# Altium PCB smu_unit.PcbDoc (part 2 of 3)
Units mil, origin at the board's own origin, x right, y up, seen from the top; angles counter-clockwise.
Board outline 6066 x 1900 mil, 4 copper layers (L1, L2, L3, L4), stack 64.6 mil thick; 154 components, 103 nets, 549 pads, 1003 vias.
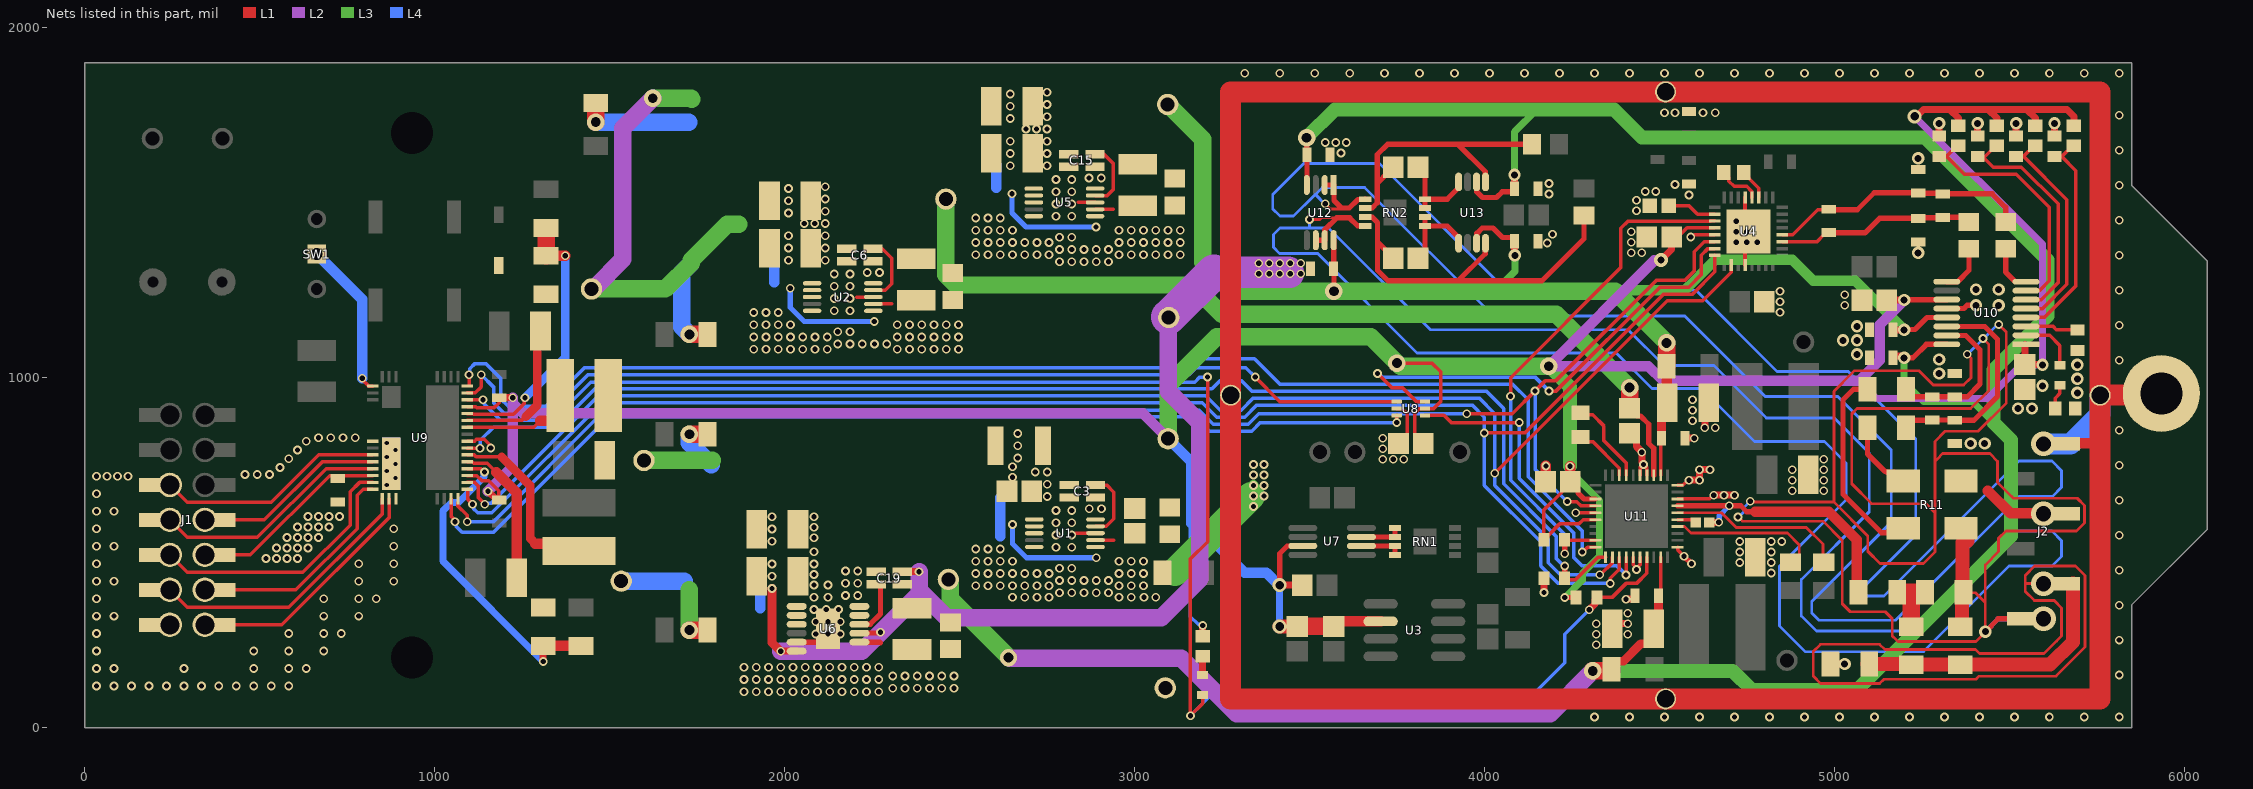
[diagram p4: the nets of this part, all layers, seen from the top]

## Via types
v1: diameter 25, hole 15, L1 to L4, tented both sides, 880 vias
v2: diameter 20, hole 12, L1 to L4, tented both sides, 59 vias
v3: diameter 35, hole 20, L1 to L4, tented both sides, 37 vias
v4: diameter 50, hole 28, L1 to L4, tented both sides, 16 vias
v5: diameter 70.87, hole 43.31, L1 to L4, tented both sides, 6 vias
v6: diameter 40, hole 25, L1 to L4, tented both sides, 3 vias
v7: diameter 35, hole 20, L1 to L4, tented bottom, 1 vias
v8: diameter 40, hole 20, L1 to L4, tented both sides, 1 vias

## Nets (pads, with @x,y where several pads share a name; then routed paths per layer and width w, separated by ;. In a path a pad name is that pad's centre, name@x,y a point inside that pad or via, vN(x,y) a via of type N, cw(c..) or ccw(c..) an arc to the next point about the centre after c; other vN are vias at no path point) (continued)
3.3V: C3.1 C10.1 C12.1 C18.1 C22.2 C29.1 C35.1 C37.1 C51.2 C53.1 C55.1 R22.1 R25.1 R27.1 R30.1 R32.1 R33.1 R34.1 TP1.1 U1.10 U3.2 U4.28 U7.7 U8.5 U9.10 U9.20 U10.1 U10.11 U11.13 U11.16 | length 11614
  L1 w10: U9.10@1093.34,720.33 1120.38,720.33 1135.11,705.59 1154.11,705.59 1183.11,676.59 C55.1@1183.11,653.06 ; U9.20@1093.34,917.18 1117.69,917.18 1121.27,913.59 1169.11,913.59 1184.05,928.54 C51.2@1184.05,942.77 ; v4(3750,1042) 3850,1042 3875,1017 3875,932 3855,912 U8.5@3830.35,912 3829.45,911.09 3820.59,911.09 3820.55,911.05 3814.1,911.05 3801,897.96 C29.1@3801,836.46 ; R34.1@4170.47,537 R34.1@4170.47,540.94 ; C53.1@4240.5,697.5 4220.85,677.85 4220.85,672.85 4170.47,622.47 R34.1@4170.47,540.94 ; U11.16@4317.86,594.41 4282.41,594.41 4270,582 4215,582 4182.19,549.19 4178.72,549.19 R34.1@4170.47,540.94 ; C22.2@4561,1410 4579.3,1428.3 U4.28@4658.7,1428.3
  L1 w15: v6(3415.11,407) 3415.11,497.11 3436.69,518.69 3480.82,518.69 U7.7@3481.34,519.2 ; v1(4230,372) 4252.47,372 R32.1@4257.47,367 ; C53.1@4245.46,702.83 4267.58,680.72 4267.58,670.42 4284.54,653.46 U11.13@4317.86,653.46 ; v3(5200,1222) 5201.09,1223.09 5321.5,1223.09 U10.11@5321.8,1223.39 ; U10.1@5545,1094.65 5545.78,1095.43 U10.1@5548.2,1095.43
  L1 w20: v1(1152.11,675.59) 1152.7,675.59 1175.23,653.06 C55.1@1183.11,653.06 ; C51.2@1184.05,942.77 v1(1223.11,942.77) ; R33.1@3195,260.54 v1(3195,292) ; v6(3415.11,407) C18.1@3479.54,407 ; v8(4505,1337) 4535,1367 4535,1401.57 C22.2@4535.43,1402 ; C35.1@5150.46,1222 v3(5200,1222) ; v6(5230,1747) 5235.41,1747 5255.41,1767 5330,1767 ; R22.1@5355,1720.54 5355,1742 5330,1767 ; R25.1@5465,1720.54 5465,1742 5440,1767 ; U10.1@5545,1094.65 C37.1@5545,1037.46 5545.23,1037.23 5594.77,1037.23 v3(5595,1037) ; R27.1@5575,1720.54 5575,1742 5550,1767 ; R30.1@5685,1720.54 5685,1747 5665,1767 5550,1767 ; 5330,1767 5440,1767 ; 5440,1767 5550,1767
  L1 w30: C12.1@3570.11,289.06 3584.64,303.59 U3.2@3703.65,303.59 ; C53.1@4245,703.3 v1(4245,747)
  L1 w40: v6(3415.11,288.59) 3464.68,288.59 C10.1@3465.11,289.03
  L1 w50: C10.1@3465.11,289.03 C12.1@3570.09,289.04
  L2 w20: 5071,991 5121,941 5439,941 5535,1037 v3(5595,1037) 5595,1382 v6(5230,1747)
  L2 w30: v1(1152.11,675.59) 1223.11,746.59 1223.11,927.59 ; v1(1223.11,942.77) 1223.11,927.59 ; TP1.1@3096.11,825.59 3023.11,898.59 1252.11,898.59 1223.11,927.59 ; v8(4505,1337) 4503.09,1335.09 4486.09,1335.09 v4(4184,1033) 4469,1033 4511,991 5071,991 5130,1050 5130,1152 v3(5200,1222)
  L3 w20: v1(4230,372) 4279.98,421.98 4279.98,440.98 4329,490 4329,649 4245.96,732.04 4245.96,746.04 v1(4245,747)
  L3 w30: v6@3415.11,401.89 3410,407 v6(3415.11,407)
  L3 w40: v4(4184,1033) 4185,1033 4245,973 v1(4245,747)
  L3 w50: TP1.1@3096.11,825.59 TP1.1@3096.52,826 ; TP1.1@3096.11,826.08 3096.11,978.11 3235,1117 3675.71,1117 3750,1042.71 v4(3750,1042) 3759,1033 v4(4184,1033)
  L4 w10: TP1.1@3096.11,825.59 3096.11,820.89 3160,757 3160,317 3182.13,294.87 3192.13,294.87 v1(3195,292)
  L4 w20: v6@3415,407 v6(3415.11,407) v6(3415.11,288.59)
  L4 w30: TP1.1@3096.11,825.59 3162.35,759.35 3162.35,584.65 ; 3162.35,594.65 3315,442 3377.4,442 3412.4,407 v6@3415,407
  other v1: 2871.11,625.59 2906.11,625.59
5.5V: C6.1 C32.1 TP2.1 U2.10 U11.3 | length 2588.5
  L1 w15: C32.1@4415,912.46 4437.12,890.35 4446.65,890.35 4470,867 4470,812.39 4484.32,798.07 U11.3@4484.32,721.5
  L1 w50: C32.1@4415,912.46 v4(4415,972)
  L3 w50: TP2.1@2461.11,1510.59 2461.11,1294.29 2490.4,1265 3167,1265 3250,1182 4205,1182 v4(4415,972)
  other v1: 2236.11,1300.59 2271.11,1300.59
5.15V: C1.1 C2.2 C40.2 L3.2 TP9.1 U1.1 U1.2 U1.3 U1.6 U9.15 | length 584.2
  L1 w10: U9.15@1093.34,818.75 1114.27,818.75 1119.11,823.59 1142.11,823.59 1157.24,808.46 1157.24,805.99 1157.64,805.59 v1@1160.11,805.59
  L3 w50: TP9.1@1598.11,763.59 1793.11,763.59
  L4 w15: v1(2651.11,580.59) 2651.11,525.59 2691.11,485.59 v1(2891.11,485.59)
  other v1: 2651.11,715.59 2651.11,745.59 2666.11,770.59 1160.11,799.07 2666.11,805.59 2666.11,840.59
15V: C15.1 C31.1 C36.1 C39.2 C58.1 C69.1 R7.1 TP3.1 U5.10 U10.13 U11.2 U12.8 U13.3 | length 3880.5
  L1 w10: U11.2@4504.01,721.5 4504.01,824.53 4501.54,827 C31.1@4506.54,827 C31.1@4505,828.54
  L1 w15: C58.1@3569.39,1325.8 U12.8@3569.39,1393.24 ; C58.1@3569.46,1312 3570,1311.46 v4(3570,1247) ; U13.3@3977.8,1384.4 3978.69,1385.3 3978.69,1412.69 3994,1428 4025,1428 4052.24,1400.76 4081.24,1400.76 C69.1@4086.54,1395.46 ; v3(5200,1137) 5200.78,1137.78 5230.78,1137.78 5265.2,1172.2 U10.13@5321.8,1172.2
  L1 w20: C69.1@4086.54,1395.46 4086.77,1395.23 4086.77,1350.23 v3(4087,1350) ; C31.1@4505,828.54 C31.1@4506.54,830.07 ; C39.2@4506.54,911.59 C39.2@4522.94,928 ; C36.1@5168.46,1137 v3(5200,1137)
  L1 w25: C31.1@4506.54,830.07 C39.2@4506.54,911.59
  L1 w30: R7.1@4521.96,1032.02 4521.96,928.98 C39.2@4522.94,928
  L1 w50: R7.1@4520.98,1033 R7.1@4520.98,1043.41 ; R7.1@4521,1043.43 v4(4521,1099.5)
  L3 w20: 4029,1247 4030,1247 4087,1304 v3(4087,1350)
  L3 w30: 4373,1250 4573,1250 4660,1337 4880,1337 4940,1277 5060,1277 v3(5200,1137)
  L3 w50: TP3.1@3095,1781 3195,1681 3195,1330 3278,1247 v4(3570,1247) 4029,1247 ; 4030,1247 4373.5,1247 v4(4521,1099.5)
  other v1: 2870,1571 2905,1571
18.8V: C4.2 C5.2 C13.2 C14.2 C30.1 D1.2 R6.2 TP10.1 U2.1 U2.2 U2.3 U2.6 U5.1 U5.2 U5.3 U5.6 U9.18 | length 2218.8
  L1 w10: U9.18@1093.34,877.81 1248.11,877.81 1256.9,886.59 1257.11,886.59
  L1 w25: 1260.11,888.59 1293.11,921.59 ; 1293.11,922.81 1293.11,1074.5
  L2 w50: TP10.1@1453.2,1255.7 1456.6,1259.11 1458.62,1259.11 1538.11,1338.59 1538.11,1713.59 v4(1623.11,1798.59)
  L3 w50: TP10.1@1448.11,1253.59 1659.11,1253.59 1733.11,1327.59 1733.11,1335.59 1835.61,1438.09 1869.61,1438.09 ; v4(1623.11,1798.59) 1733.11,1798.59 1735.11,1796.59
  L4 w15: v1(2016.11,1255.59) 2016.11,1200.59 2056.11,1160.59 v1(2256.11,1160.59) ; v1(2650,1526) 2650,1471 2690,1431 v1(2890,1431)
  other v1: 2011.11,1335.59 2011.11,1370.59 2011.11,1405.59 2011.11,1470.59 2011.11,1505.59 2011.11,1540.59 2645,1606 2645,1641 2645,1676 2645,1741 2645,1776 2645,1811
-15V: C19.1 C52.1 C57.1 C61.1 C63.1 C67.1 R36.1 TP4.1 U6.11 U6.12 U10.16 U11.29 U12.4 U13.6 | length 8193.1
  L1 w10: C61.1@4497.72,364.61 C61.1@4497.72,377 4504.01,383.29 U11.29@4504.01,487
  L1 w15: v4(3492,1686) 3492.27,1685.73 3492.27,1637.27 C63.1@3492.54,1637 ; C63.1@3492.54,1637 3493,1636.46 3493,1551.14 U12.4@3492.61,1550.76 ; U13.6@3977.8,1559.6 3978.69,1558.7 3978.69,1531.31 3995.09,1514.91 4034.91,1514.91 4051.24,1531.24 4081.24,1531.24 4081.24,1530 C67.1@4086.54,1535.3 ; v3@5205,1057 5225,1057 5263.43,1095.43 U10.16@5321.8,1095.43
  L1 w20: v3(4086,1580) 4086.27,1579.73 4086.27,1535.56 C67.1@4086.54,1535.3 ; C52.1@5168.46,1062 v3@5200,1062
  L1 w25: R36.1@4377.07,189.93 4397.93,189.93 4447.38,239.38 4467.03,239.38 4484.06,256.41 C57.1@4484.06,282 4497.72,295.66 C61.1@4497.72,364.61
  L1 w50: v4(4310,162) 4363.39,162 4363.98,162.59 R36.1@4363.98,167
  L2 w50: v4@2643.11,198.59 3133.41,198.59 3292,40 4188,40 v4(4310,162)
  L3 w10: TP4.1@2468.11,423.59 TP4.1@2471.71,419.99
  L3 w20: v3(4086,1580) 4086,1703 4150,1767 ; v3(5200,1057) 5200,987 5255,932 5395,932 5455,872
  L3 w40: v4(3492,1686) 3573,1767 4150,1767 4370,1767 4450,1687 5260,1687 5610,1337 5610,1177 5455,1022 5455,882 ; v4@4311,162 4710,162 4765,107 5065,107 5505,547 5505,822 5455,872
  L3 w50: TP4.1@2471.71,419.99 2470.22,418.5 2473.62,415.1 2473.62,368.08 v4@2643.11,198.59 ; v4(4310,162) v4@4311,162
  other v1: 2174.22,377.48 2209.22,377.48 2174.22,412.48 2209.22,412.48 2174.22,447.48 2209.22,447.48
  other v4: 2640,200
-18.8V: C16.2 C17.2 C48.1 R17.2 TP12.1 U6.1 U6.2 U6.3 U6.5 U6.13 U9.12 | length 732.4
  L1 w10: U9.12@1093.34,759.7 1107.01,759.7 1111.11,755.59 1150.11,755.59 1169.11,736.59
  L1 w15: U6.5@2034.65,244.1 2097.27,244.1 2124.22,271.05 U6.13@2124.22,282.48
  L1 w30: 1175.4,730.3 1234.11,671.59 C48.1@1234.11,456.59
  L3 w50: TP12.1@1533.11,418.59 TP12.1@1536.11,418.59
  L4 w30: 1931.11,340.89 1931.11,394.8
  L4 w50: TP12.1@1533.11,418.59 1713.11,418.59
  other v1: 1884.22,102.48 1919.22,102.48 1954.22,102.48 1989.22,102.48 2024.22,102.48 2059.22,102.48 2094.22,102.48 2129.22,102.48 2164.22,102.48 2199.22,102.48 2234.22,102.48 2269.22,102.48 2309.22,112.48 2344.22,112.48 2379.22,112.48 2414.22,112.48 2449.22,112.48 2484.22,112.48 1884.22,137.48 1919.22,137.48 1954.22,137.48 1989.22,137.48 2024.22,137.48 2059.22,137.48 2094.22,137.48 2129.22,137.48 2164.22,137.48 2199.22,137.48 2234.22,137.48 2269.22,137.48 2309.22,147.48 2344.22,147.48 2379.22,147.48 2414.22,147.48 2449.22,147.48 2484.22,147.48 1884.22,172.48 1919.22,172.48 1954.22,172.48 1989.22,172.48 2024.22,172.48 2059.22,172.48 2094.22,172.48 2129.22,172.48 2164.22,172.48 2199.22,172.48 2234.22,172.48 2269.22,172.48 2089.22,267.48 2124.22,267.48 2159.22,267.48 2089.22,302.48 2124.22,302.48 2159.22,302.48 2084.22,337.48 2119.22,337.48 2154.22,337.48 2084.22,372.48 2124.22,372.48 2084.22,407.48 2124.22,407.48 2084.22,437.48 2084.22,467.48 2084.22,502.48 2084.22,542.48 2084.22,572.48 2084.22,602.48
\ADC/CS: U4.31 U8.6 | length 1353.9
  L1 w10: v1(3695,1012) 3735,972 3765,972 3805,932 3830.04,932 U8.6@3830.35,931.68 ; v1(4185,962) 4205,962 4502,1259 4584,1259 4620,1295 4620,1350 4639.24,1369.24 U4.31@4658.7,1369.24
  L4 w10: v1(3695,1012) 3698.36,1012 3708.36,1002 4145,1002 v1(4185,962)
\DAC/CS: U8.4 U11.24 | length 949.6
  L1 w10: U8.4@3830.35,892.31 3884.69,892.31 3905,872 v1(4100,872) ; v1(4405.11,436.09) 4405.58,436.56 U11.24@4405.58,487
  L4 w10: v1(4100,872) 4100,712 4255,557 4255,487 4280,462 4379.2,462 v1(4405.11,436.09)
\FAULT: J1.7 pad.1@243.11,593.59 U9.38 | length 681.8
  L1 w10: pad.1@243.11,593.59 293.11,543.59 493.11,543.59 689.53,740.01 U9.38@822.88,740.01
\LDAC: J1.5 pad.1@243.11,693.59 U9.36 | length 656.7
  L1 w10: pad.1@243.11,693.59 293.11,643.59 533.11,643.59 668.9,779.38 U9.36@822.88,779.38
\SS: J1.14 pad.1@343.11,293.59 U9.2 | length 707.3
  L1 w10: pad.1@343.11,293.59 J1.14@395.47,293.59 563.11,293.59 869.53,600.01 U9.2@869.53,653.99
\SSS: U8.3 U9.6 | length 2965
  L1 w10: U9.6@1046.69,653.99 1046.69,604.07 1058.11,592.65 v1(1058.11,588.59) ; U8.3@3749.65,892.31 3749.82,892.14 3749.82,872.18 v1(3750,872)
  L4 w10: v1(1058.11,588.59) 1060.98,585.72 1060.98,575.72 1078.11,558.59 1168.11,558.59 1498.11,888.59 3173.41,888.59 3215,847 3335,847 3360,872 v1(3750,872)
ADC/#RESET: R34.2 U4.27 U11.19 | length 1526.7
  L1 w10: v1(4075,947) 4075,1000 4390,1315 4390,1427 4410.9,1447.9 4646.97,1447.9 4647.05,1447.98 U4.27@4658.7,1447.98 ; R34.2@4229.53,537 4231.17,535.35 U11.19@4317.86,535.35
  L1 w15: R34.2@4225,530.53 4230,525.53 v1(4230,497)
  L4 w10: v1(4075,947) 4075,707 4230,552 v1(4230,497)
CLK: J1.9 pad.1@243.11,493.59 U9.40 | length 792.6
  L1 w10: pad.1@258.11,508.59 258.11,493.59 pad.1@243.11,493.59 293.11,443.59 623.11,443.59 758.11,578.59 758.11,673.59 785.16,700.64 U9.40@822.88,700.64
DAC/#CLKOUT: R14.1 U9.14 U11.21 | length 3785.8
  L1 w10: U9.14@1093.34,799.07 1128.64,799.07 v1(1129.11,798.59) v1@1129.11,799.07 ; R14.1@4235,422 4260,422 4325,487 U11.21@4346.53,487
  L1 w15: R14.1@4229.53,427 4229.76,427.24 4229.76,461.76 v1(4230,462)
  L4 w10: v1(1129.11,798.59) 1130.61,800.09 1130.61,821.09 1168.11,858.59 1348.11,858.59 1458.11,968.59 3221.59,968.59 3245,992 3305,992 3335,962 4005,962 4055,912 4055,697 4205,547 4205,484 4227,462 v1(4230,462)
DAC/#FAULT: DS2.2 R32.2 U9.21 U11.27 | length 4826.3
  L1 w10: U9.21@1093.34,936.86 v1(1138.11,936.86) ; DS2.2@3195,93.46 3195,69 v1(3160,34) 3160,482 3209,531 v1@3209,999 ; R32.2@4320,370.47 R32.2@4321.53,372 ; R32.2@4325,372 4365,372 4405,412 4435,412 4464.64,441.64 U11.27@4464.64,487
  L1 w20: v1(4300,337) 4315.78,352.78 4315.78,366.25 R32.2@4320,370.47
  L4 w10: v1(1138.11,936.86) 1140.98,933.99 1140.98,925.72 1188.11,878.59 1338.11,878.59 1446.51,987 3172,987 3187,1002 v1(3209,1002) ; v1(3160,34) 3228,102 4147,102 4230,185 4230,267 v1(4300,337)
DAC/#LDAC: U9.23 U11.20 | length 3810.7
  L1 w10: U9.23@1098.11,978.59 v1(1098.11,1008.59) ; v1(4280,502) 4281.33,502 4295,515.67 U11.20@4317.86,515.67
  L4 w10: v1(1098.11,1008.59) 1100.05,1010.54 1100.05,1025.54 1115.11,1040.59 1146.11,1040.59 1188.11,998.59 1188.11,940.59 1210.11,918.59 1318.11,918.59 1428.11,1028.59 3141.59,1028.59 3167,1054 3343,1054 3415,982 4080,982 4125,937 4125,717 4280,562 v1(4280,502)
DAC/+VSENSE: R24.1 U11.36 | length 511.6
  L1 w8: U11.36@4552.36,614.09 4677.91,614.09 4720,572 4920,572 4967.73,524.27 4967.73,489.63 R24.1@4985,472.35
DAC/-VSENSE: R29.1 U11.34 | length 423.3
  L1 w8: U11.34@4552.36,574.72 4572.28,574.72 4591,556 4866,556 4900,522 4900,482.35 R29.1@4890,472.35
DAC/ADC/SCLK: U4.2 U9.9 U11.22 | length 4799.8
  L1 w10: U9.9@1093.11,700.59 1114.11,700.59 1125.11,689.59 1125.11,656.59 v1@1135.05,646.65 ; v1(4030,727) 4523,1220 4624,1220 4705.94,1301.94 U4.2@4705.94,1322 ; v1(4330,437) 4331.53,437 4366.21,471.69 U11.22@4366.21,487
  L4 w10: v1(1143.11,638.59) 1145.98,641.46 1160.98,641.46 1468.11,948.59 3203.41,948.59 3245,907 3305,907 3340,942 3985,942 4030,897 v1(4030,727) 4030,692 4183,539 4183,471 4217,437 v1(4330,437)
DAC/ADC/SDI: U4.32 U9.8 U11.23 | length 4825.8
  L1 w10: U9.8@1095.11,680.71 1095.11,651.95 1108.11,638.95 v1(1108.11,638.59) ; v1(4000,842) 4115,842 4512,1239 4595,1239 4658.7,1302.7 U4.32@4658.7,1349.56 ; v1(4360,412) 4360,427 4385.9,452.9 U11.23@4385.9,487
  L4 w10: v1(1108.11,638.59) 1110.98,635.72 1110.98,625.72 1123.11,613.59 1163.11,613.59 1478.11,928.59 3193.41,928.59 3235,887 3315,887 3350,922 3965,922 4000,887 v1(4000,842) 4000,692 4161,531 4161,462 4211,412 v1(4360,412)
DAC/ADC/SDO: U4.30 U9.7 U11.14 | length 4467.4
  L1 w10: U9.7@1066.38,642.46 1066.38,633.33 1092.66,607.04 1092.66,589.04 v1(1093.11,588.59) ; v1(3950,897) 4080,897 v1(4145,962) 4175,992 4205,992 4491,1278 4573,1278 4600,1305 4600,1360 4628.93,1388.93 U4.30@4658.7,1388.93 ; v1(4237,646) 4264,646 4276.22,633.78 U11.14@4317.86,633.78
  L4 w10: v1(1093.11,588.59) 1168.11,588.59 1486.51,907 3185,907 3225,867 3325,867 3355,897 v1(3950,897) ; v1(4145,962) 4145,738 v1(4237,646)
DAC/RA: R20.2 U11.7 | length 249.3
  L1 w10: R20.2@4275,899.45 4280.18,894.27 4309.73,894.27 4342,862 4342,820 4405.58,756.42 U11.7@4405.58,721.5
DAC/RB: R20.1 U11.8 | length 167.5
  L1 w10: R20.1@4275,830.55 4288.01,817.54 4309.46,817.54 4385.9,741.1 U11.8@4385.9,721.5
DAC/VIOUT: C56.2 R12.2 U11.37 | length 790.3
  L1 w15: U11.37@4552.83,634.25 4700,634.25 4732.75,634.25 4750,617 4775,617
  L1 w20: C56.2@4643.24,586.41 4643.53,586.7 4669.7,586.7 v1(4670,587)
  L1 w30: 4775,617 4984,617 5064,537 5064,392.88 R12.2@5069.88,387
  L4 w15: v1(4670,587) 4671.25,588.25 4671.25,605.25 v1(4700,634)
DACS/A\D\C\S\M: J1.8 pad.1@343.11,593.59 U9.37 | length 548.6
  L1 w10: pad.1@343.11,593.59 J1.8@395.47,593.59 513.11,593.59 679.21,759.7 U9.37@822.88,759.7
DACS/A\D\C\S\S: U8.1 U9.22 | length 2864.6
  L1 w10: U9.22@1093.34,956.55 1116.06,956.55 1133.11,973.59 v1(1133.11,1008.59) ; v1(3345,1002) 3415.32,931.68 U8.1@3749.65,931.68
  L4 w10: v1(1133.11,1008.59) 1168.11,973.59 1168.11,928.59 1198.11,898.59 1328.11,898.59 1438.11,1008.59 3156.59,1008.59 3177,1029 3318,1029 v1(3345,1002)
EARTH: J2.1 pad.0 pad.@5935,955 | length 9833.7
  L1 w20: 5758,812 5760,810
  L1 w30: J2.1@5662.92,812 5758,812
  L1 w60: pad.@5935,955 5930,950 pad.0@5760,950 5760,1817 ; 5760,1817 5760,812 5760,82 pad.0@4518,82 3275,82 pad.0@3275,950 3275,1817 pad.0@4518,1817 5760,1817
  L4 w60: v5(5598.04,811) 5676,811 5760,895 pad.0@5760,950
HiGuard: C46.2 J2.6 R11.1 R13.1 | length 6264.6
  L1 w8: v1(4725,602) 4726.19,602 4738.19,590 4968,590 5023,535 5023,354 5046,331 5146,331 5166,311 5166,262 5169,259 5182,246 5405,246 5432,273 5432,357 ; v1(4760,647) 4762,645 4999,645 5096,548 5096,504 5131,469 5255,469 5288,502 5288,614 ; 4999,644 4999,961 5000,962 5051,1013 5054,1016 5058,1020 5242,1020 5283,979 5370,979 5391,1000 5391,1056 v1@5381,1066 ; 5288,762 5288,818 5317,847 5411,847 5492,928 5492,1107 5492,1130 v1(5470,1152) ; R13.1@5370.12,387 5371.89,385.23 5403.77,385.23 5432,357 ; v1(5425,1112) 5442,1095 5442,1089 5442,964 5390,912 5389,912 5065,912 5050,897 5050,697 5107,640 5262,640 5288,614 ; 5288,614 5288,761 5295,768 5310,783 5445,783 5467,761 5467,701 5507,661 5512.57,655.43 5694.57,655.43 5715,635 5715,585 5692,562 5491,562 5470,541 5470,503 5432,465 5432,357
  L1 w15: v7(5432,274) 5469,311 J2.6@5533.08,311
  L1 w40: C46.2@5360,301.13 5365.06,306.19 5365.06,381.94 R13.1@5370.12,387 5366,391.12 5366,529.05 5370.95,534 5381,534 ; R11.1@5362.5,569.5 R11.1@5370,562
  L4 w8: v1(4725,602) 4726.98,602 4742,617.02 4742,629 v1(4760,647) ; v1(5380,1067) 5381,1067 5425,1111 v1(5425,1112) ; v1@5426,1111 5467,1152 v1(5470,1152)
  L4 w15: v7(5432,274) 5469,311 v5(5598.04,311)
iSense+/ADC: C20.1 C33.1 C43.2 R9.2 U4.11 | length 568.1
  L1 w10: U4.11@4851.61,1388.93 4950.93,1388.93 4968.74,1406.74 4977.2,1406.74 C20.1@4985,1414.54
  L1 w15: C20.1@4985,1414.54 4985.54,1414 5088,1414 5129.46,1455.46 C33.1@5240,1455.46 5241.54,1457 5308.46,1457 C43.2@5310,1458.54 5371.85,1458.54 R9.2@5385,1445.39
iSense-/ADC: C20.2 C43.1 C49.2 R16.2 U4.12 | length 749
  L1 w10: U4.12@4851.61,1408.61 4881.61,1408.61 4953,1480 4983.54,1480 C20.2@4985,1481.46
  L1 w15: C20.2@4985,1481.46 4986.46,1480 5066,1480 5114.54,1528.54 C49.2@5240,1528.54 5240,1527 5308.46,1527 C43.1@5310,1525.46 5451.54,1525.46 5490,1487 R16.2@5490,1445.39
isoAGND: C4.1 C5.1 C6.3 C7.2 C13.1 C14.1 C15.3 C16.1 C17.1 C19.3 C24.2 C31.2 C32.2 C33.2 C36.2 C38.2 C39.1 C41.1 C49.1 C50.2 C52.2 C57.2 C58.2 C59.1 C61.2 C62.1 C63.2 C65.2 C67.2 C69.2 R35.2 R41.2 R42.2 R43.2 TP15.1 U2.5 U2.8 U4.4 U4.21 U4.33 U5.5 U5.8 U6.6 U6.9 U10.12 U11.4 U11.5 U11.31 U11.38 U11.40 | length 4976.1
  L1 w10: 2206.11,1230.59 U2.8@2253.71,1230.59 ; 2840,1501 U5.8@2887.6,1501 ; U11.5@4444.95,721.5 4444.95,743.8 4453.16,752 v1(4455,752) ; v1@4455,753.43 4464.64,743.8 U11.4@4464.64,721.5 ; U11.31@4552.36,515.67 4552.36,507.64 4570,490 v1(4571,490) ; U11.38@4552.36,653.46 4642.59,653.46 4653.37,664.25 v1(4655.94,664.25) ; U11.40@4552.36,692.83 4566.78,692.83 4580.94,707 v1(4585,707) ; v1@4592,467 v1(4592,468) ; U4.33@4745.31,1408.61 U4.33@4755.16,1418.46 U4.33@4745.31,1428.3
  L1 w12: U4.4@4745.31,1322 U4.33@4745.31,1408.61 ; U4.33@4745.31,1428.3 U4.21@4745.31,1514.91
  L1 w15: U6.9@2213.79,269.69 2214.68,270.58 2272.32,270.58 v1(2274.22,272.48) ; v1(4571,490) 4571,489.5 4592,468.5 v1(4592,468) ; U10.12@5321.8,1197.8 5322,1198 5371,1198 5380,1207 v3(5405,1207)
  L1 w20: v1(1989.22,218.51) U6.6@2034.65,218.51 ; C19.3@2336.62,445.2 2337.75,446.33 2381.73,446.33 2382.87,445.2 v1(2384.22,445.2) ; C57.2@4365.94,282 4380.94,297 v1(4410,297) ; v1(4405,367) 4405.96,367.96 4427.99,367.96 4430.79,370.75 C61.2@4430.79,377 ; C32.2@4415,841.54 4416.02,841.54 4435.63,821.92 4435.63,802.72 4450,788.35 v1(4450,787) 4450,757 v1(4455,752) ; C31.2@4573.46,827 v1(4600,827) ; v1(4585,707) 4614,707 4615,706 v1(4615,707) v1(4615,737) 4614,738 4644,738 v1(4645,737) ; v1(4630,857) 4630.96,857.96 4630.96,917.9 C39.1@4641.06,928 ; v1(4655.94,664.25) v1(4685,664.25) v1(4715,664.25) ; R35.2@4989.88,179.59 R35.2@4989.88,182 ; R35.2@5000,182 v3(5030,182) 5030.82,181.18 v3@5030.82,180.81
  L1 w25: v1(1964.22,397.48) 1964.22,242.48 1988.2,218.51 v1(1989.22,218.51)
  L1 w50: v4@1460.11,1729.59 v4(1460.11,1730.59) R42.2@1460.11,1784.62 ; v4(1728.11,278.59) R43.2@1779.13,278.59 ; v4(1728.11,1123.59) R41.2@1778.11,1123.59
  L2 w50: v1(1989.22,218.51) 2220.24,218.51 v1(2274.22,272.48) 2384.22,382.48 2384.22,392.48 ; v1(2384.22,445.2) 2384.22,392.48 ; TP15.1@3098,1172 3097,1171 3097,961 3187,871 3187,424 3076.59,313.59 2463.11,313.59 2384.22,392.48
  L2 w80: v1@3440,1302 v1(3445,1297)
  L2 w90: TP15.1@3098,1172 TP15.1@3098,1173 ; 3227,1302 v1@3440,1302
  L2 w100: TP15.1@3098,1173 3227,1302
  L3 w40: v4(1728.11,278.59) v4@1728.11,281.3
  L3 w50: v4@1728.11,281.3 1728.11,393.59
  L4 w30: 1971.11,1273.13 1971.11,1338.13 ; 2605,1543.53 2605,1608.53
  L4 w50: v4(1460.11,1730.59) 1461.11,1729.59 1726.11,1729.59 ; v4(1728.11,1123.59) 1706.11,1145.59 1706.11,1300.59 1730.11,1324.59
  other v1: 4320,237 4320,267 4410,267 4320,297 4410,327 1964.22,432.48 4820,442 1964.22,467.48 4730,472 4820,472 4730,502 4820,502 4730,532 4820,532 4850,532 1964.22,532.48 1964.22,567.48 1964.22,602.48 4880,677 4970,677 4880,707 4970,707 4880,737 4970,737 4970,767 4660,857 4595,877 4595,907 4595,937 1912.22,1081.19 1947.22,1081.19 1982.22,1081.19 2017.22,1081.19 2052.22,1081.19 2087.22,1081.19 2122.22,1081.19 2322.22,1081.19 2357.22,1081.19 2392.22,1081.19 2427.22,1081.19 2462.22,1081.19 2497.22,1081.19 2152.22,1096.19 2187.22,1096.19 2222.22,1096.19 2257.22,1096.19 2292.22,1096.19 1912.22,1116.19 1947.22,1116.19 1982.22,1116.19 2017.22,1116.19 2052.22,1116.19 2087.22,1116.19 2122.22,1116.19 2322.22,1116.19 2357.22,1116.19 2392.22,1116.19 2427.22,1116.19 2462.22,1116.19 2497.22,1116.19 2152.22,1131.19 2187.22,1131.19 1912.22,1151.19 1947.22,1151.19 1982.22,1151.19 2017.22,1151.19 2322.22,1151.19 2357.22,1151.19 2392.22,1151.19 2427.22,1151.19 2462.22,1151.19 2497.22,1151.19 1912.22,1186.19 1947.22,1186.19 1982.22,1186.19 4845,1187 2142.22,1191.19 2187.22,1191.19 4845,1217 2142.22,1226.19 2187.22,1226.19 4845,1247 2142.22,1261.19 2187.22,1261.19 2142.22,1296.19 2187.22,1296.19 3355,1297 3385,1297 3415,1297 3475,1297 3355,1327 3385,1327 3415,1327 3445,1327 3475,1327 2786.11,1331.59 2821.11,1331.59 2856.11,1331.59 2891.11,1331.59 2926.11,1331.59 2116.11,1335.59 2546.11,1351.59 2581.11,1351.59 2616.11,1351.59 2651.11,1351.59 2686.11,1351.59 2721.11,1351.59 2756.11,1351.59 2956.11,1351.59 2991.11,1351.59 3026.11,1351.59 3061.11,1351.59 3096.11,1351.59 3131.11,1351.59 2786.11,1366.59 2821.11,1366.59 2856.11,1366.59 2891.11,1366.59 2926.11,1366.59 2116.11,1370.59 4180,1385 2546.11,1386.59 2581.11,1386.59 2616.11,1386.59 2651.11,1386.59 2686.11,1386.59 2721.11,1386.59 2756.11,1386.59 2956.11,1386.59 2991.11,1386.59 3026.11,1386.59 3061.11,1386.59 3096.11,1386.59 3131.11,1386.59 4720,1387 4750,1387 4780,1387 2786.11,1401.59 2821.11,1401.59 2116.11,1405.59 4195,1410 4720,1417 4750,1417 2546.11,1421.59 2581.11,1421.59 2616.11,1421.59 2651.11,1421.59 2956.11,1421.59 2991.11,1421.59 3026.11,1421.59 3061.11,1421.59 3096.11,1421.59 3131.11,1421.59 2056.11,1440.59 2086.11,1440.59 2116.11,1440.59 4720,1447 2546.11,1456.59 2581.11,1456.59 2616.11,1456.59 2776.11,1461.59 2821.11,1461.59 2116.11,1475.59 4435,1477 2776.11,1496.59 2821.11,1496.59 4435,1507 2116.11,1510.59 4585,1522 4185,1525 2776.11,1531.59 2821.11,1531.59 4460,1532 4490,1532 2116.11,1545.59 4545,1552 4185,1555 2776.11,1566.59 2821.11,1566.59 2750,1606 2750,1641 3590,1642 3545,1672 3575,1672 3605,1672 2750,1676 2690,1711 2720,1711 2750,1711 2750,1746 4515,1757 4545,1757 4625,1757 4660,1757 2750,1781 2750,1816 3315,1870 3415,1870 3515,1870 3615,1870 3715,1870 3815,1870 3915,1870 4015,1870 4115,1870 4215,1870 4315,1870 4415,1870 4515,1870 4615,1870 4715,1870 4815,1870 4915,1870 5015,1870 5115,1870 5215,1870
  other v3: 5390,812 5430,812 5300,1012 5300,1052 5065,1067 5025,1107 5065,1107 5065,1147 5470,1207 5405,1252 5470,1252 5240,1357 5240,1627
isoDGND: C1.2 C2.1 C3.3 C22.1 C29.2 C35.2 C37.2 C53.2 R14.2 R19.1 R21.1 R23.1 R26.1 R28.1 R31.1 R38.1 R39.1 TP14.1 U1.5 U1.8 U4.29 U8.2 U11.15 U11.25 U11.26 | length 1213.3
  L1 w10: v1@2831.11,555.59 U1.8@2888.71,555.59 ; U8.2@3749.65,912 3750.55,911.09 3759.41,911.09 3759.45,911.05 3765.91,911.05 3779,897.96 C29.2@3779,836.46 ; v1(4261,614) 4265,614 4266,615 4267,614 4317.76,614 U11.15@4317.86,614.09 ; U11.25@4425.27,487 4425.27,465.9 v1@4435.11,456.06 ; v1(4435.11,452) v1@4435.11,456.06 ; U11.26@4444.95,487 4444.95,465.9 v1@4435.11,456.06 ; v1(4590,1402) 4594.06,1402 4600.67,1408.61 U4.29@4658.7,1408.61
  L1 w20: v1(3340,692) v1@3340.96,692.96 ; v1(4170.47,386) R14.2@4170.47,427 ; R23.1@5300,1691.53 v3(5300,1727) ; R26.1@5410,1691.53 v3(5410,1727) ; R28.1@5520,1691.53 v3(5520,1727) ; R31.1@5630,1691.53 v3(5630,1727)
  L1 w30: C53.2@4174.54,702.83 4175.91,704.21 v1(4175.91,747.91) ; C35.2@5065.49,1236.04 C35.2@5079.54,1222
  L1 w50: v4(1728.11,838.59) R39.1@1778.11,838.59
  L2 w10: TP14.1@3086.59,113.59 TP14.1@3088.11,113.59
  L3 w30: 3340,677 v1(3340,692)
  L3 w60: v1@3330,662 3333,662 v1(3340,662)
  L3 w80: 3116,445 v1@3333,662
  L4 w30: 2616.11,547.5 2616.11,657.27
  L4 w50: v4(1728.11,838.59) 1728.11,813.59 1790.24,751.46
  other v1: 4315,30 4415,30 4515,30 4615,30 4715,30 4815,30 4915,30 5015,30 5115,30 5215,30 5315,30 5415,30 5515,30 5615,30 5715,30 5815,30 5815,150 5815,250 5815,350 2651.11,372.59 2686.11,372.59 2721.11,372.59 2756.11,372.59 2956.11,372.59 2991.11,372.59 3027.11,372.59 3061.11,372.59 2786.11,385.59 2821.11,385.59 2856.11,385.59 2891.11,385.59 2926.11,385.59 2546.16,405.65 2581.11,405.59 2616.11,405.59 2651.11,405.59 2686.11,405.59 2721.11,405.59 2756.11,405.59 2956.11,405.59 2991.11,405.59 3026.11,405.59 2786.11,420.59 2821.11,420.59 2856.11,420.59 2891.11,420.59 2926.11,420.59 2546.11,440.59 2581.11,440.59 2616.11,440.59 2651.11,440.59 2686.11,440.59 2721.11,440.59 2756.11,440.59 2956.11,440.59 2991.11,440.59 3026.11,440.59 5815,450 2786.11,455.59 2821.11,455.59 2546.11,475.59 2581.11,475.59 2616.11,475.59 2651.11,475.59 2956.11,475.59 2991.11,475.59 3026.11,475.59 2546.11,510.59 2581.11,510.59 2616.11,510.59 2776.11,515.59 2821.11,515.59 5815,550 2776.11,550.59 2821.11,550.59 2776.11,585.59 2821.11,585.59 2776.11,620.59 2821.11,620.59 3340,632 5815,650 2751.11,660.59 3370,662 3370,692 2751.11,695.59 3340,722 3370,722 2716.11,730.59 2751.11,730.59 5815,750 3340,752 3370,752 3710,767 3740,767 3770,767 3710,797 3710,827 5815,850 5815,1050 5815,1150 5030,1207 5030,1237 5815,1250 5815,1350 4420,1357 4450,1357 4420,1387 4420,1417 5815,1450 5815,1550 5815,1650 5815,1750 5315,1870 5415,1870 5515,1870 5615,1870 5715,1870 5815,1870
  other v3: 5525,912 5565,912 5695,957 5595,977 5695,997 5695,1037
LOAD+: J2.3 R11.2 | length 212.8
  L1 w8: J2.3@5665,609.92 5662.92,612 J2.3@5665,614.08
  L1 w30: 5439,677 5504,612 5597.04,612 v5(5598.04,611)
  L1 w40: R11.2@5347.5,704.5 R11.2@5354.5,711.5 ; R11.2@5362.5,704.5 R11.2@5370,712
LOAD-: C45.1 C46.1 J2.5 R35.1 | length 3198.9
  L1 w8: v5@5597.96,412 5546,412 ; 5546,412 5546,435 ; 5546,412 5546,435 ; 5546,412 5546,435 ; 5546,435 5546,389 5572,363 5629,363 5650,342 5650,262 5635.07,247.07 5600,212 5415,212 5404,223 5145,223 5130,238 4961,238 4940,217 4940,147 4961,126 5130,126 5142,138 5157,138 5405,138 5414,147 5634,147 5717,230 5717,435 5690,462 5573,462 5546,435
  L1 w40: R35.1@5095.12,182 R35.1@5100.12,182 5217.87,182 C45.1@5220,179.87 ; C45.1@5220.13,180 5359.87,180 C46.1@5360,179.87 5360.13,180 5617,180 5682,245 J2.5@5682,411.5
  other v5: 5598.04,411
MGND: C54.1 J1.13 pad.1@243.11,293.59 U9.3 U9.34 U9.42
  other v1: 33.11,118.59 83.11,118.59 133.11,118.59 183.11,118.59 233.11,118.59 283.11,118.59 333.11,118.59 383.11,118.59 433.11,118.59 483.11,118.59 533.11,118.59 583.11,118.59 33.11,168.59 83.11,168.59 283.11,168.59 483.11,168.59 583.11,168.59 633.11,168.59 33.11,218.59 483.11,218.59 583.11,218.59 683.11,218.59 33.11,268.59 583.11,268.59 683.11,268.59 733.11,268.59 33.11,318.59 83.11,318.59 683.11,318.59 783.11,318.59 33.11,368.59 683.11,368.59 783.11,368.59 833.11,368.59 33.11,418.59 83.11,418.59 783.11,418.59 883.11,418.59 33.11,468.59 783.11,468.59 883.11,468.59 518.11,483.59 548.11,483.59 578.11,483.59 608.11,483.59 548.11,513.59 578.11,513.59 608.11,513.59 638.11,513.59 33.11,518.59 83.11,518.59 883.11,518.59 578.11,543.59 608.11,543.59 638.11,543.59 668.11,543.59 33.11,568.59 883.11,568.59 608.11,573.59 638.11,573.59 668.11,573.59 698.11,573.59 638.11,603.59 668.11,603.59 698.11,603.59 728.11,603.59 33.11,618.59 83.11,618.59 33.11,668.59 33.11,718.59 63.11,718.59 93.11,718.59 123.11,718.59 458.11,723.59 493.11,723.59 528.11,723.59 558.11,743.59 583.11,768.59 608.11,793.59 633.11,818.59 668.11,828.59 703.11,828.59 738.11,828.59 773.11,828.59
  other v2: 863.11,693.59 888.11,713.59 863.11,733.59 888.11,753.59 863.11,773.59 888.11,793.59 863.11,813.59
MISO: J1.11 pad.1@243.11,393.59 U9.1 | length 781.6
  L1 w10: pad.1@243.11,393.59 293.11,343.59 583.11,343.59 849.84,610.33 U9.1@849.84,653.99
MOSI: J1.12 pad.1@343.11,393.59 U9.41 | length 658.6
  L1 w10: pad.1@343.11,393.59 348.11,398.59 353.11,393.59 J1.12@395.47,393.59 603.11,393.59 778.11,568.59 778.11,663.59 795.47,680.96 U9.41@822.88,680.96
MVDD: C54.2 J1.10 pad.1@343.11,493.59 U9.39 | length 573.7
  L1 w10: pad.1@343.11,493.59 J1.10@395.47,493.59 473.11,493.59 699.84,720.33 U9.39@822.88,720.33
NetC3_2: C3.2 U1.9 | length 198.4
  L1 w10: U1.9@2888.71,575.28 2919.61,575.28 2941.11,596.77 2941.11,672.8 2920.6,693.31 C3.2@2888.71,693.31
  L1 w15: C3.2@2888.51,693.31 C3.2@2888.71,693.31
NetC3_4: C3.4 C8.2 R1.1
NetC6_2: C6.2 U2.9 | length 196.6
  L1 w10: C6.2@2253.51,1368.31 2279.08,1368.31 2306.11,1341.28 2306.11,1268.29 2288.1,1250.28 U2.9@2253.71,1250.28
NetC6_4: C6.4 C9.1 R2.1
NetC8_1: C8.1 R1.2 U1.7 | length 52.5
  L1 w10: U1.7@2888.71,535.91 2940.79,535.91 2941.11,535.59
NetC9_2: C9.2 R2.2 U2.7 | length 52.1
  L1 w10: U2.7@2253.71,1210.91 2305.79,1210.91
NetC15_2: C15.2 U5.9 | length 196.6
  L1 w10: C15.2@2887.4,1638.72 2912.97,1638.72 2940,1611.69 2940,1538.69 2921.99,1520.69 U5.9@2887.6,1520.69
NetC15_4: C15.4 C21.1 R3.1
NetC19_2: C19.2 U6.10 | length 167.5
  L1 w15: U6.10@2213.79,295.28 2244.61,295.28 2274.22,324.88 2274.22,405.46 2269.91,409.77 C19.2@2261.82,409.77
NetC19_4: C19.4 C23.1 R4.1
NetC21_2: C21.2 R3.2 U5.7 | length 52.1
  L1 w10: U5.7@2887.6,1481.32 2939.68,1481.32
NetC23_2: C23.2 R4.2 U6.8 | length 61.1
  L1 w10: U6.8@2213.79,244.1 U6.8@2222.6,244.1
  L1 w15: U6.8@2222.6,244.1 2272.6,244.1 2274.22,242.48
NetC24_1: C24.1 U4.26 | length 142.2
  L1 w10: C24.1@4526.57,1492 4585,1492 4609.33,1467.67 U4.26@4658.7,1467.67
NetC27_1: C27.1 U4.19 | length 90
  L1 w10: C27.1@4741.54,1587 4756.23,1572.31 4756.23,1569.77 4784.69,1541.32 U4.19@4784.69,1514.91
NetC27_2: C27.2 U4.20 | length 126.5
  L1 w10: C27.2@4684.46,1587 4699.14,1572.31 4699.14,1561.86 4714,1547 4750,1547 4765,1532 U4.20@4765,1514.91
NetC41_2: C41.2 C44.1 R10.2 U10.14 | length 625.6
  L1 w15: R10.2@5205.12,857 5205.12,860.44 5223.21,878.54 C44.1@5280,878.54 5280.46,879 5344.46,879 C41.2@5345,878.46 5399.46,878.46 5467,946 5467,1110 5430.39,1146.61 U10.14@5321.8,1146.61
NetC44_2: C44.2 C50.1 R15.2 U10.15 | length 448.2
  L1 w15: R15.2@5205.12,967 5205.12,963.56 5223.21,945.46 C44.2@5280,945.46 C44.2@5280,945.46 5380.5,945.5 5417,982 5417,1080 5376,1121 U10.15@5321.8,1121.02
NetC45_2: C45.2 R12.1 R13.2 | length 165.6
  L1 w50: R12.1@5180.12,387 5220,387 ; C45.2@5220,301.13 5220,387 ; R13.2@5259.88,387 5220,387
NetC56_1: C56.1 U11.35 | length 60.6
  L1 w10: U11.35@4552.36,594.41 4601.65,594.41 C56.1@4609.65,586.41
NetC60_1: C60.1 RN2.7 RN2.8 U13.8 | length 251.8
  L1 w15: C60.1@3810.46,1602 3830.45,1582.01 RN2.8@3830.45,1510.39 ; RN2.7@3830.45,1484.8 RN2.8@3830.45,1510.39 ; U13.8@3926.61,1559.6 3926.61,1542.87 3894.13,1510.39 RN2.8@3830.45,1510.39
NetC60_2: C60.2 R37.1 RN2.2 U13.5 | length 841.2
  L1 w15: RN2.2@3659.55,1484.8 3660.31,1485.56 3679.56,1485.56 3694,1500 3694,1555.45 3726.25,1587.7 3739.54,1600.98 C60.2@3739.54,1602 ; 3694,1554.97 3694,1638 3723,1667 3925,1667 ; U13.5@4003.39,1559.6 4002.49,1560.49 4002.49,1589.51 3925,1667 ; R37.1@4136.61,1662 4131.61,1667 3925,1667
NetC68_1: C68.1 RN2.5 RN2.6 U13.1 | length 253
  L1 w15: C68.1@3810.46,1342 3830.45,1361.99 RN2.5@3830.45,1433.61 ; RN2.6@3830.45,1459.2 RN2.5@3830.45,1433.61 ; U13.1@3926.61,1384.4 3928,1385.79 3928,1399.75 3894.13,1433.61 RN2.5@3830.45,1433.61
NetC68_2: C68.2 R40.1 RN2.3 U13.4 | length 1101.4
  L1 w15: RN2.3@3659.55,1459.2 3660.31,1458.44 3680.56,1458.44 3695,1444 3695,1387.55 ; C68.2@3739.54,1342 3739.54,1343.02 3721.7,1360.85 3695,1387.55 ; U13.4@4003.39,1384.4 4002.49,1383.51 4002.49,1354.49 3925,1277 ; R40.1@4285,1463.61 4285,1397 4165,1277 3925,1277 ; 3695,1387.55 3695,1307 3725,1277 3925,1277
NetDS1_1: DS1.1 U10.2 | length 164.5
  L1 w10: U10.2@5549.02,1121.02 5615.98,1121.02 5645,1092 DS1.1@5645,1035.54
NetDS1_2: DS1.2 R19.2 | length 72.1
  L1 w10: R19.2@5631.46,912 5631.81,912.35 5631.81,941.81 5645,955 DS1.2@5645,978.46
NetDS2_1: DS2.1 R33.2 | length 52.9
  L1 w20: DS2.1@3195,150.54 R33.2@3195,203.46
NetL3_1: L3.1 U9.17 | length 328.8
  L1 w10: U9.17@1093.34,858.12 1282.64,858.12 1301.11,876.59
  L1 w25: L3.1@1331.34,876.59 1358.21,903.46 L3.1@1358.21,948.59
  L1 w30: 1301.11,876.59 L3.1@1331.34,876.59
NetL4_1: L4.1 U9.13 | length 524.3
  L1 w10: U9.13@1093.34,779.38 1112.32,779.38 1118.11,773.59 1194.11,773.59
  L1 w25: 1191.52,773.18 1273.11,691.59 1273.11,540.72 1287.75,526.07 ; L4.1@1391.73,526.07 L4.1@1393.19,524.61
  L1 w30: 1287.75,526.07 L4.1@1391.73,526.07 ; L4.1@1393.19,524.61 L4.1@1413.11,504.7
NetR6_1: R6.1 R8.2 U9.19 | length 782
  L1 w10: U9.19@1093.34,897.49 1109.21,897.49 1111.11,895.59 1225.11,895.59 1255.75,926.23 1255.75,940.41 v1(1258.11,942.77) ; R8.2@1318.11,1423.59 R8.2@1318.11,1428.48
  L1 w30: R6.1@1318.11,1348.71 1318.23,1348.59 v1(1373.11,1348.59)
  L1 w50: R6.1@1318.11,1348.71 R8.2@1318.11,1423.59
  L4 w25: v1(1258.11,942.77) 1258.11,942.59 1373.11,1057.59 v1(1373.11,1348.59)
NetR9_1: R9.1 U10.9 | length 138.3
  L1 w15: U10.9@5321.8,1274.57 5352.43,1274.57 5353.21,1275.35 5353.35,1275.35 5385,1307 R9.1@5385,1368.61
NetR10_1: R10.1 R11.3 | length 209.7
  L1 w15: R10.1@5094.88,857 5095,856.88 5095,782 5145,732 5148.71,732 5151.21,729.5 5172.5,729.5 R11.3@5197.5,704.5
NetR11_4: R11.4 R15.1 | length 557.9
  L1 w15: R15.1@5094.88,967 5055,967 5025,937 5025,667 5135,557 R11.4@5185,557
NetR16_1: R16.1 U10.8 | length 135.8
  L1 w10: U10.8@5548.2,1273.8 U10.8@5548.2,1274.57
  L1 w15: R16.1@5490,1368.61 5490,1302 5516.65,1275.35 5516.79,1275.35 5517.27,1274.87 U10.8@5547.18,1274.87
NetR17_1: R17.1 R18.2 U9.11 | length 926.6
  L1 w10: U9.11@1093.34,740.01 1132.69,740.01 v1(1142.11,730.59)
  L1 w20: v1(1310.11,188.59) R17.1@1310.11,233.48
  L1 w30: R17.1@1310.11,233.48 R18.2@1418.11,233.48
  L4 w20: v1@1141.46,728.59 1141.15,728.28 1141.15,716.64 1068.11,643.59 1048.11,643.59 1023.11,618.59 1023.11,475.59 1308.48,190.23 1308.48,188.96 1308.11,188.59 v1(1310.11,188.59)
NetR21_2: R21.2 U10.3 | length 151
  L1 w10: U10.3@5548.2,1146.61 5625.39,1146.61 5635,1137 5694.53,1137 R21.2@5695,1136.53
NetR22_2: R22.2 R23.2 U10.7 | length 710.4
  L1 w10: R23.2@5300,1632.47 5321.06,1632.47 ; R22.2@5355,1663.46 5352.05,1663.46 5321.06,1632.47 ; U10.7@5548.2,1248.98 5549.46,1250.23 5588.23,1250.23 5615,1277 5615,1487 5520,1582 5371.54,1582 5321.06,1632.47
NetR25_2: R25.2 R26.2 U10.6 | length 670.5
  L1 w10: R26.2@5410,1632.47 5413.27,1629.2 5427.8,1629.2 5455,1602 5535,1602 5640,1497 5640,1272 5591.39,1223.39 U10.6@5548.2,1223.39 ; 5430.59,1632 5462.05,1663.46 R25.2@5465,1663.46
NetR27_2: R27.2 R28.2 U10.5 | length 630.1
  L1 w10: R28.2@5520,1632.47 5541.06,1632.47 ; U10.5@5548.2,1197.8 5595.8,1197.8 5665,1267 5665,1508.54 5541.06,1632.47 ; R27.2@5575,1663.46 5572.05,1663.46 5541.06,1632.47
NetR30_2: R30.2 R31.2 U10.4 | length 653.6
  L1 w10: U10.4@5548.2,1172.2 5600.2,1172.2 5690,1262 5690,1592 5649.53,1632.47 R31.2@5630,1632.47 5651.06,1632.47 5682.05,1663.46 R30.2@5685,1663.46
NetRN1_5: RN1.5 RN1.6 U7.3 | length 122.1
  L1 w15: U7.3@3648.66,544.8 3648.87,544.59 3648.97,544.69 3744.9,544.69 RN1.6@3745,544.59 RN1.5@3745,570.18
NetRN1_7: RN1.7 RN1.8 U7.2 | length 122.1
  L1 w15: U7.2@3648.66,519.2 3648.87,519 3648.97,519.1 3744.9,519.1 RN1.7@3745,519 RN1.8@3745,493.41
NetRN2_1: RN2.1 U12.1 U12.2 | length 7384.7
  L1 w8: v1(3545,1497) 3560,1482 3589.41,1482 3592.2,1484.8
  L1 w15: U12.2@3543.8,1550.76 U12.1@3569.39,1550.76 3570.47,1549.68 3570.47,1506.53 3592.2,1484.8 3613.8,1484.8 3638.62,1509.62 3658.78,1509.62 RN2.1@3659.55,1510.39
  L4 w8: 3517,1524 3537,1544 3658,1544 4026,1176 4573,1176 4803,946 5010,946 5163,793 5163,587 4936,360 4936,327 4956,307 5176,307 5530,661 5624,661 5650,687 5650,734 5622,762 5528,762 5142,376 5141,376 5075,376 5070.31,380.69 5070.31,387.31 5233,550 5233,825 5040,1018 4837,1018 4605,1250 4062,1250 3700,1612 3484,1612 3395,1523 3395,1483 3416,1462 3455,1462 3514.5,1521.5 3519.5,1521.5 3544,1497 v1(3545,1497)
NetRN2_4: RN2.4 U12.6 U12.7 | length 7181.4
  L1 w8: v1(3500,1452) 3530,1452 3535,1457 3578,1457
  L1 w15: U12.6@3518.2,1393.24 U12.7@3543.8,1393.24 3544.21,1393.66 3544.21,1423.21 3578,1457 3615,1457 3637.62,1434.38 3658.78,1434.38 RN2.4@3659.55,1433.61
  L4 w8: v1(3500,1452) 3500,1428 ; 3500,1428 3555,1428 3846,1137 4411,1137 4513,1035 4656,1035 4806,885 5000,885 5100,785 5100,617 4906,423 4906,319 4949,276 5216,276 5502,562 5622,562 5650,534 5650,489 5623,462 5500,462 5255,217 5252,217 4917,217 4844,290 4844,461 5034,651 5034,756 4972,818 4772,818 4621,969 4479,969 4377,1071 3808,1071 3524,1355 3415,1355 3397,1373 3397,1409 3416,1428 3500,1428
NetSW1_1: SW1.1 U9.31 | length 450.1
  L1 w10: v1(793.11,998.59) 793.11,994.72 811.59,976.23 U9.31@822.88,976.23
  L4 w30: SW1.1@663.11,1353.59 793.11,1223.59 v1(793.11,998.59)